# Altium PCB P01-RADIO.PcbDoc
Units mm, origin at the board's own origin, x right, y up, seen from the top; angles counter-clockwise.
Board outline 42.16 x 97.12 mm, 4 copper layers (Top Layer, Mid Layer 1, Mid Layer 2, Bottom Layer), stack 1.586 mm thick; 36 components, 38 nets, 224 pads, 209 vias.
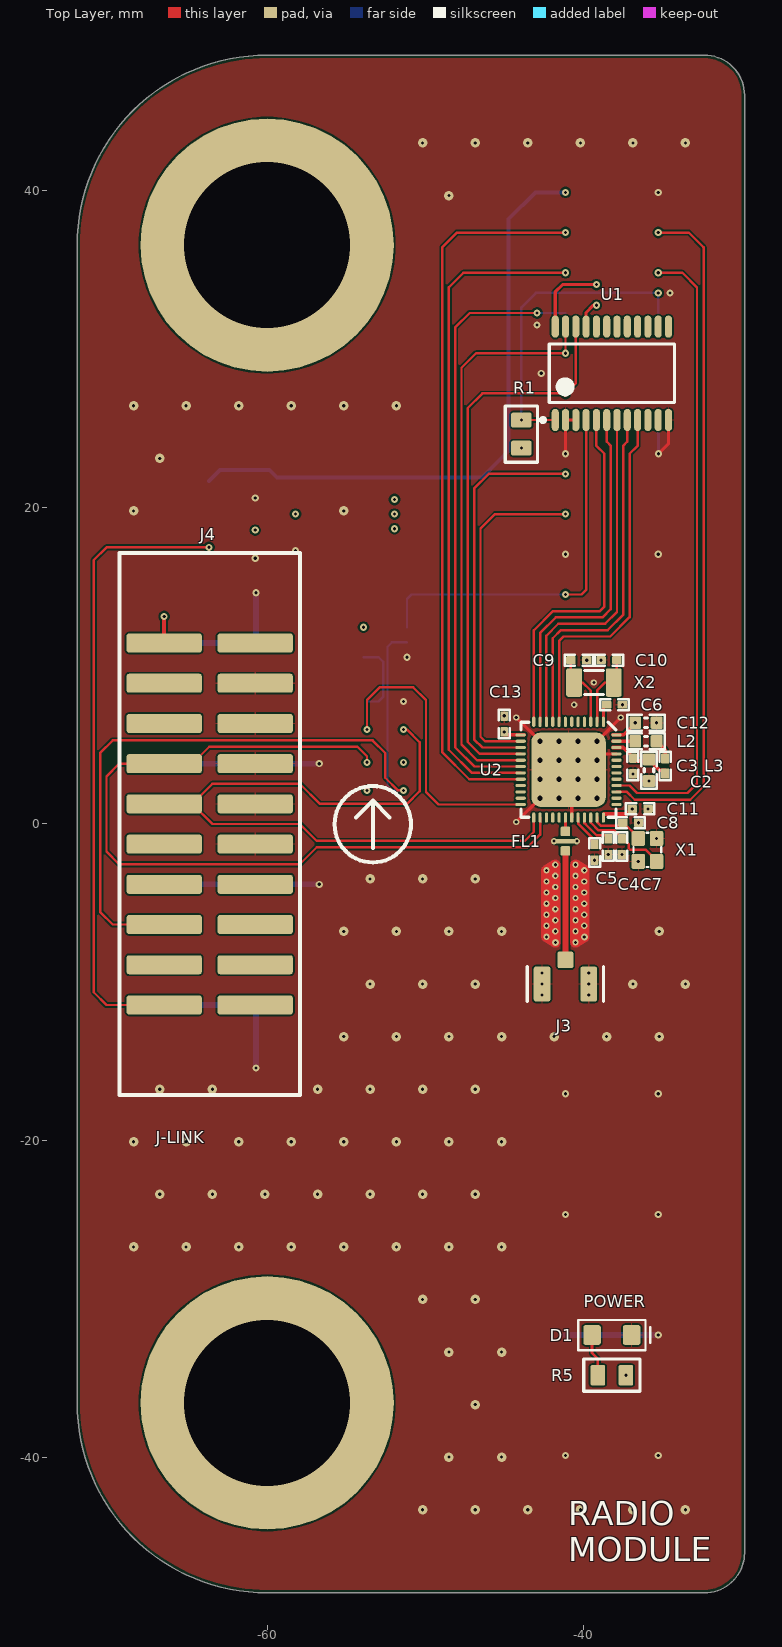
[diagram p0: Top Layer view]
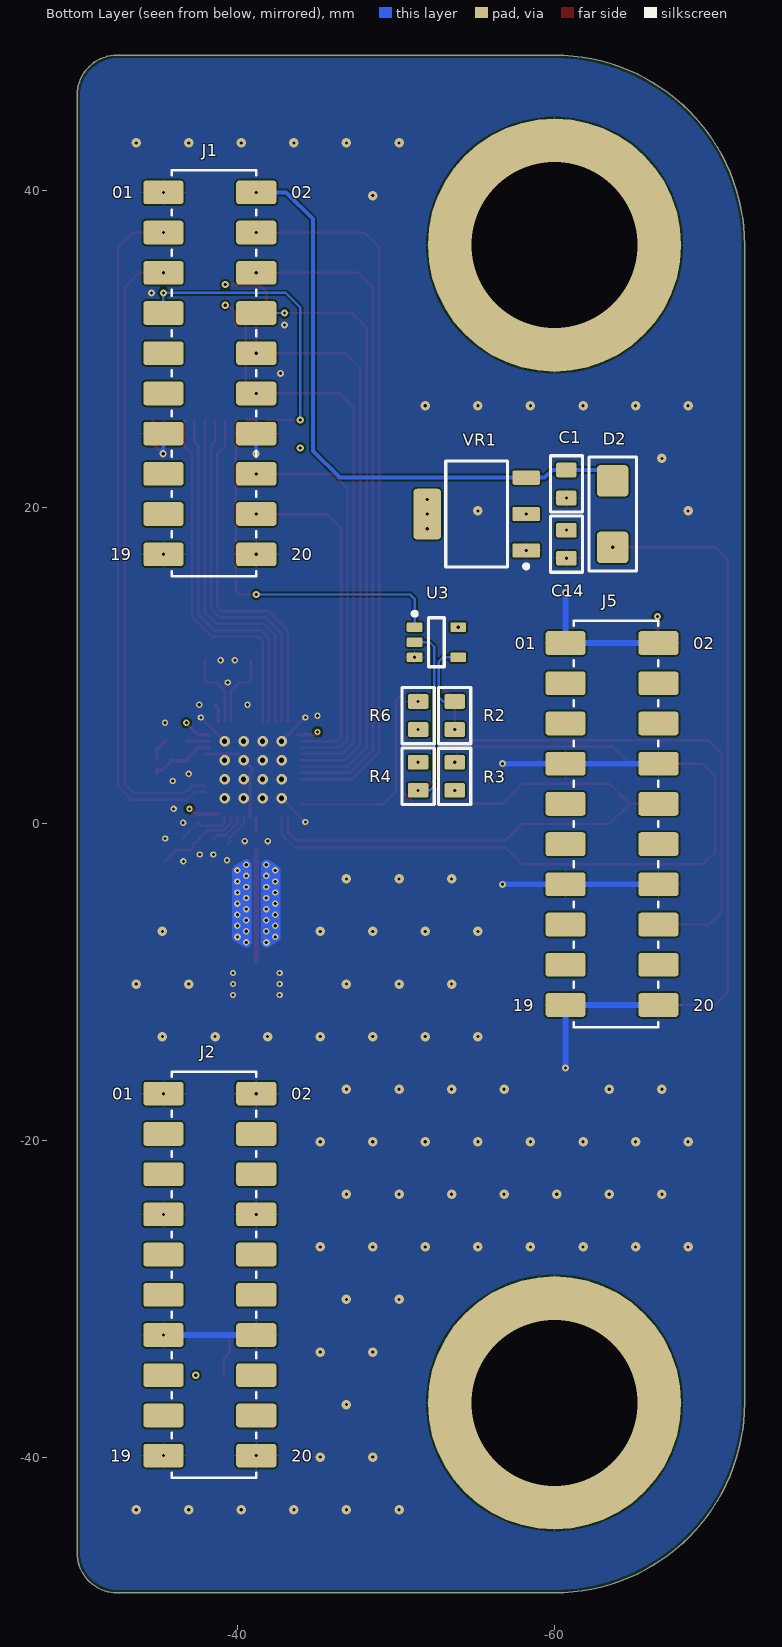
[diagram p1: Bottom Layer view, seen from below]
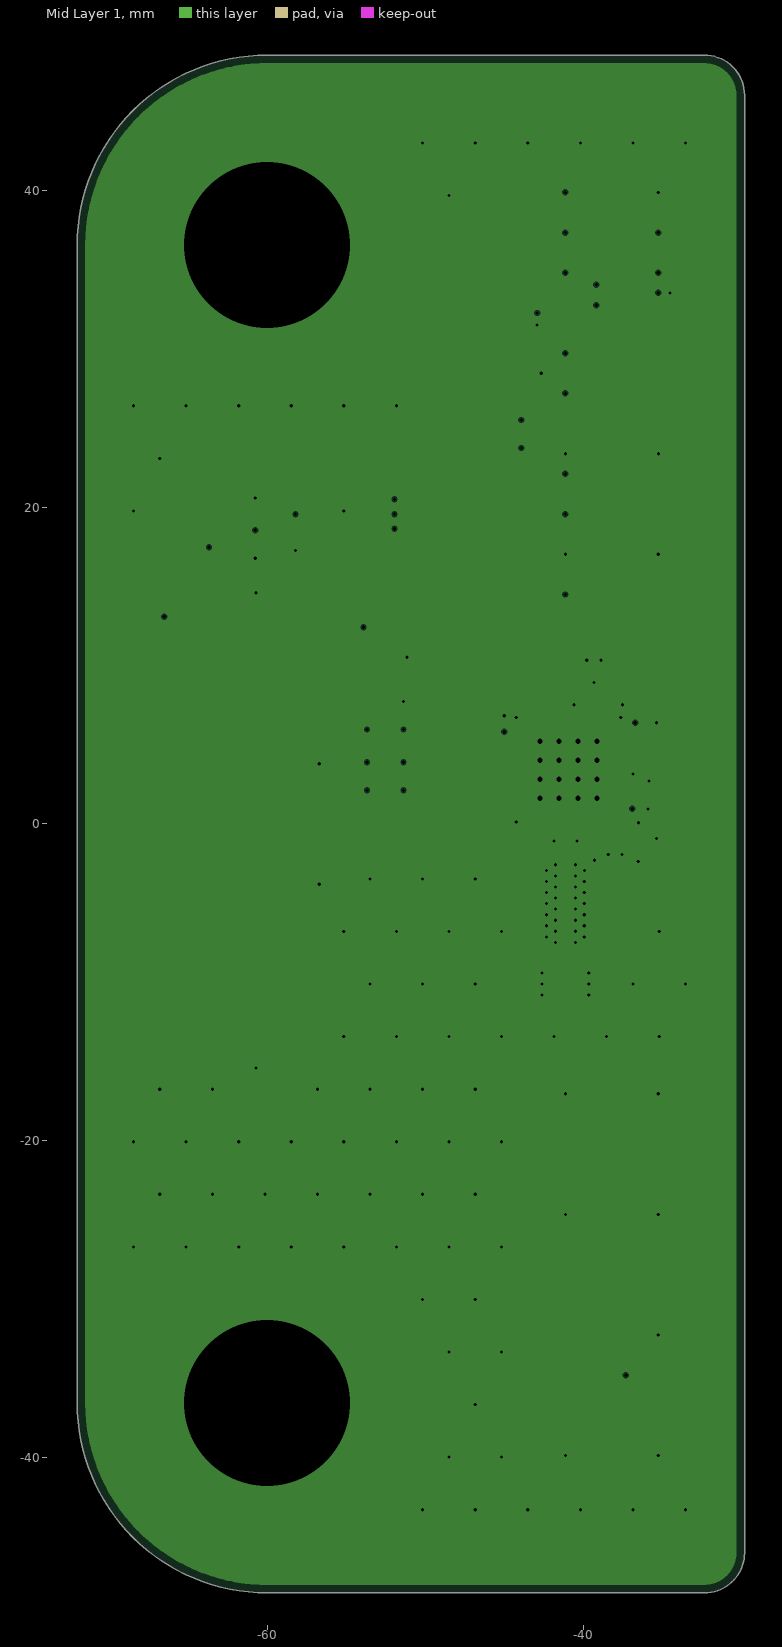
[diagram p2: Mid Layer 1, clearances drawn from the general rule]
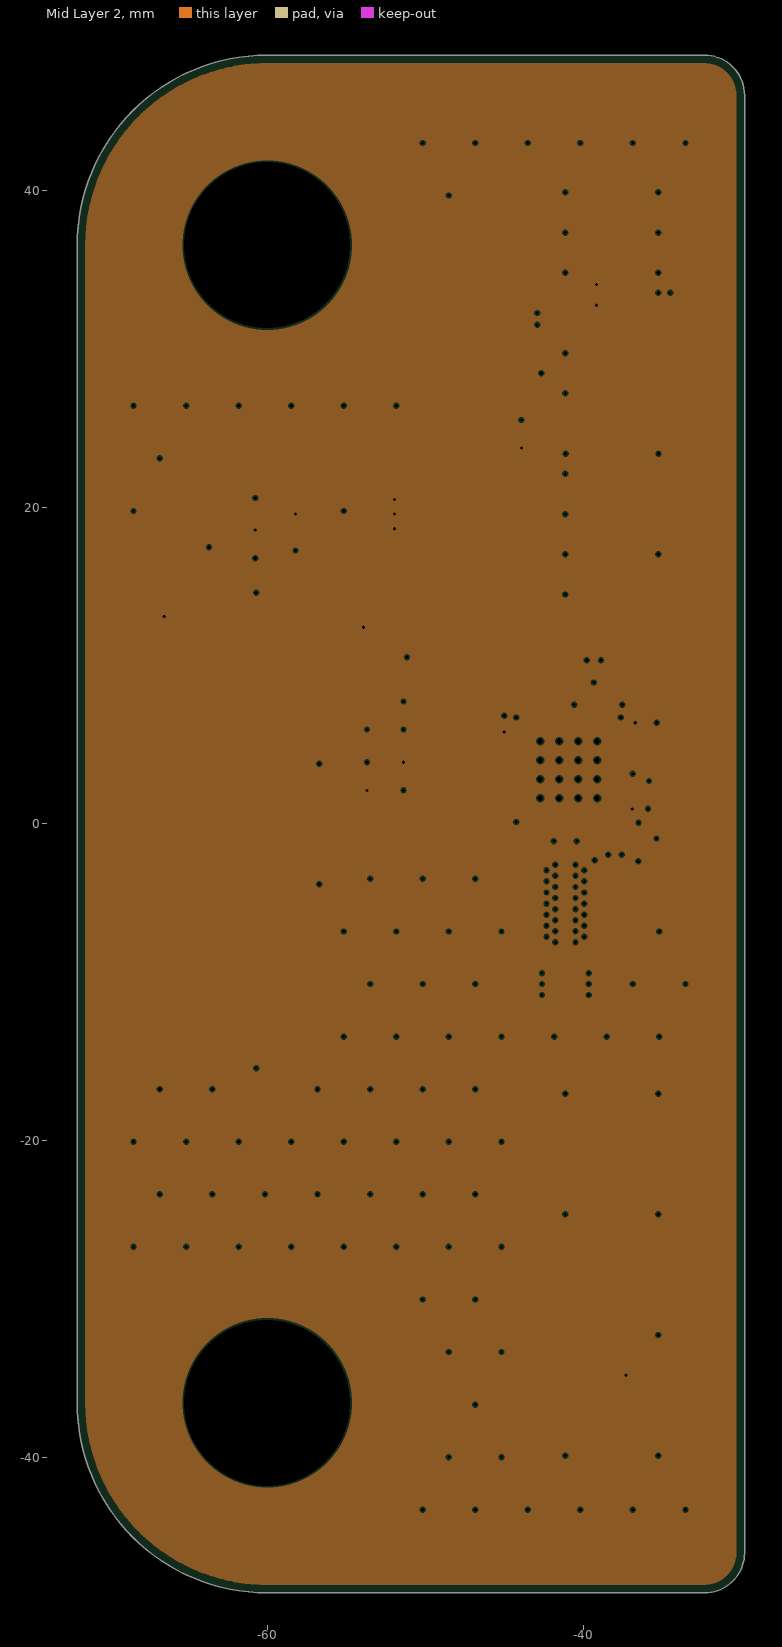
[diagram p3: Mid Layer 2, clearances drawn from the general rule]
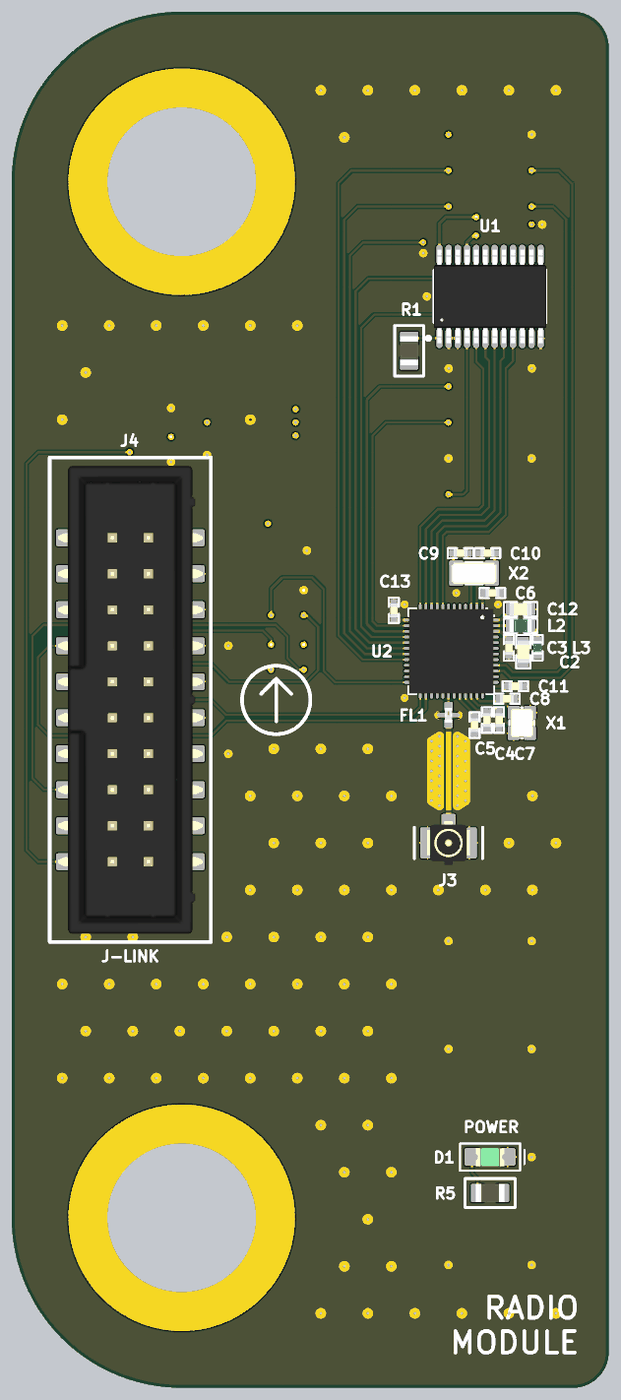
[diagram p4: 3D render of the assembled board from above, using the file's embedded part models]
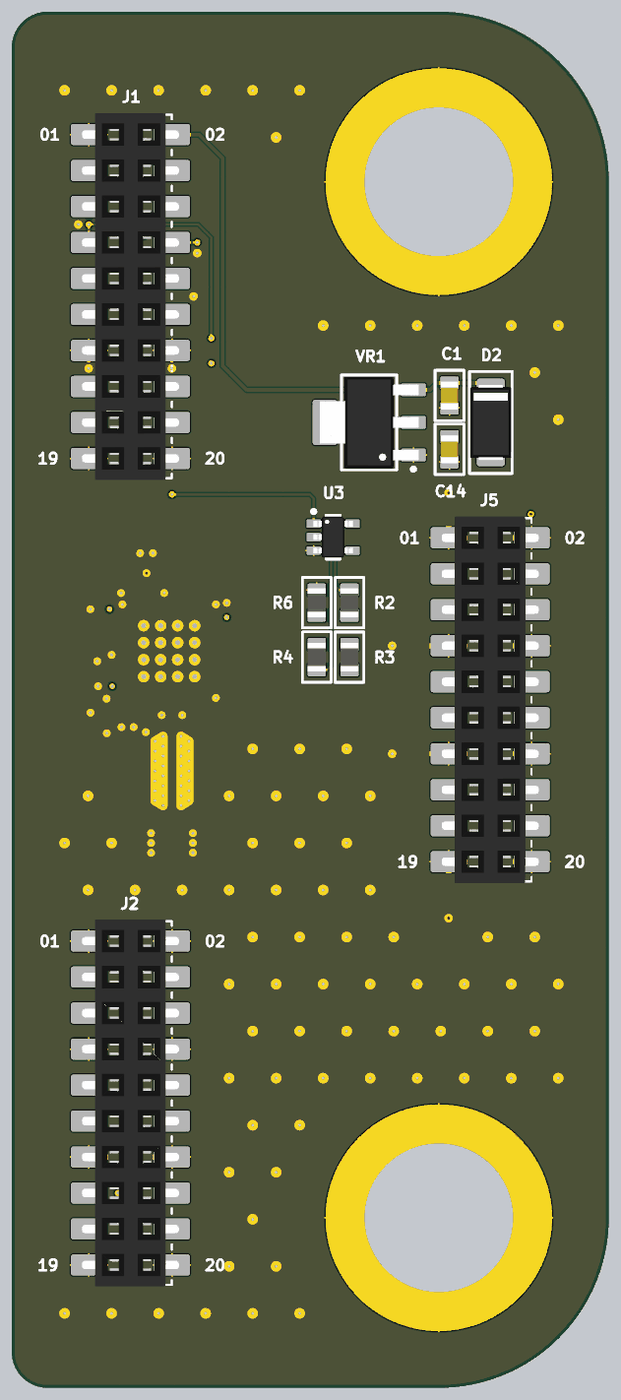
[diagram p5: 3D render of the assembled board from below, using the file's embedded part models]

## Layer stack, top to bottom
Top Solder: solder mask 0.0127, Solder Resist, Dk 3.8
Top Layer: signal copper 0.035
Dielectric 1: prepreg 0.2104, 7628, Dk 4.6
Mid Layer 1: plane copper 0.0152, net GND
Core: core 1.065, FR-4, Dk 4.5
Mid Layer 2: plane copper 0.0152, net +3V3
Dielectric 2: prepreg 0.2104, 7628, Dk 4.6
Bottom Layer: signal copper 0.035
Bottom Solder: solder mask 0.0127, Solder Resist, Dk 3.8

## Board outline
-72,-36.562 -72,36.561 cw(c-60,36.561) -60,48.561 -32.385,48.561 cw(c-32.385,46.021) -29.845,46.021 -29.845,-46.022 cw(c-32.385,-46.022) -32.385,-48.562 -60,-48.562 cw(c-60,-36.562)

## Design rules (kind name [scope] priority, off if disabled: settings)
BoardOutlineClearance [All] p1: gap=0.2 ignorepadtopadclearanceinfootprint=FALSE
Clearance [All] p1: gap=0.102 ignorepadtopadclearanceinfootprint=TRUE except(0.127: Arc-Via Track-Via SMDPad-Via THPad-Via Via-Via Via-Fill Via-Poly Via-Region Via-Text; 0.25: Arc-Hole Track-Hole SMDPad-Hole THPad-Hole Via-Hole Fill-Hole Poly-Hole Region-Hole Text-Hole; 0.256: Poly-Poly)
ComponentClearance [All] p1: gap=0.102 collisioncheckmode=3 verticalgap=0.102 showdistances=TRUE
DiffPairsRouting [All] p1: maxlimit=0.102 minlimit=0.102 mostfreqgap=0.102 toplayer_minwidth=0.102 toplayer_maxwidth=1816.048 toplayer_prefwidth=0.102 bottomlayer_minwidth=0.102 bottomlayer_maxwidth=1816.048 bottomlayer_prefwidth=0.102 maxuncoupledlength=12.7
Height [All] p1: minheight=0 maxheight=1816.048 prefheight=12.7
HoleSize [All] p1: absolutevalues=TRUE maxlimit=6.3 minlimit=0.2 maxpercent=80.000 minpercent=20.000
HoleToHoleClearance [All] p1: gap=0.25 allowstackedmicrovias=FALSE
MinimumAnnularRing [All] p1: minimumring=0.076
MinimumSolderMaskSliver [All] p1: minsoldermaskwidth=0
PlaneClearance [All] p1: clearance=0.102
PlaneConnect PlaneConnectPowerPads [InPadClass('PowerPads')] p1: planeconnectstyle=Direct reliefexpansion=0.508 reliefentries=4 reliefconductorwidth=0.254 reliefairgap=0.254
PlaneConnect [All] p2: pad.planeconnectstyle=Relief pad.reliefexpansion=0.3 pad.reliefentries=4 pad.reliefconductorwidth=0.102 pad.reliefairgap=0.102 via.planeconnectstyle=Direct via.reliefexpansion=0.3 via.reliefentries=4 via.reliefconductorwidth=0.127 via.reliefairgap=0.127
PolygonConnect PolygonConnectPowerPads [All vs (InPadClass('PowerPads'))] p1: connectstyle=Direct reliefconductorwidth=0.254 reliefentries=4 polygonreliefangle="90 Angle" airgapwidth=0.254
PolygonConnect [All] p2: thpad.connectstyle=Relief thpad.reliefconductorwidth=0.102 thpad.reliefentries=4 thpad.polygonreliefangle="90 Angle" thpad.airgapwidth=0.102 smdpad.connectstyle=Relief smdpad.reliefconductorwidth=0.102 smdpad.reliefentries=4 smdpad.polygonreliefangle="90 Angle" smdpad.airgapwidth=0.102 via.connectstyle=Direct via.reliefconductorwidth=0.127 via.reliefentries=4 via.polygonreliefangle="90 Angle" via.airgapwidth=0.127
RoutingVias [All] p1: holewidth=0.2 width=0.45 viastyle="Through Hole" minholewidth=0.2 minwidth=0.45 maxholewidth=6.3 maxwidth=6.55
SilkToSilkClearance [All] p1: silktosilkclearance=0
SilkToSolderMaskClearance [IsPad] p1: minsilkscreentomaskgap=0.102 clearancetoexposedcopper=TRUE
SolderMaskExpansion [All] p1: expansion=0.075 istentingtop=FALSE
Width [InNetClass('50R-MATCHED')] p1: maxlimit=0.369 minlimit=0.369 preferedwidth=0.369 impedanceprofiledriven=TRUE impedanceprofileid={A34E7745-7D2F-43F4-9FD8-921792264529} impedanceprofilevalue=50.000000 minimp=50.000000 maximp=50.000000 favimp=50.000000 checkconnectedcopper=TRUE
Width WidthRouter [All] p2: maxlimit=16 minlimit=0.12 preferedwidth=0.152
20 further rules are at their usual default settings.

## Classes and differential pairs
net class 50R-MATCHED: FEED
component class S01-INTERFACES: J1 J2 J5 R1 U1
component class S02-INTERFACES: C1 C14 D1 D2 J4 R3 R4 R5 R6 VR1
component class S03-TRANSCEIVER: C2 C3 C4 C5 C6 C7 C8 C9 C10 C11 C12 C13 FL1 J3 L2 L3 R2 U2 U3 X1 X2

## Components (designator, comment, footprint, x,y, rotation, side; value= is the part's Value field where it differs from the comment)
C1 "1.0UF" CL21B105KAFNFNE -60.751,21.475 r90 bottom locked
C2 "1.0UF" GCM188R71E105KA64D -35.881,3.392 r90 top locked
C3 "100PF" GCM1555C1H101JA16D -36.897,3.667 r90 top locked
C4 "100PF" GCM1555C1H101JA16D -38.453,-1.431 r90 top locked
C5 "100PF" GCM1555C1H101JA16D -39.315,-1.788 r90 top locked
C6 "0.1UF" GRM155R71H104KE14D -38.061,7.534 r180 top locked
C7 "12PF" GJM1555C1H120GB01D -37.592,-1.431 r270 top locked
C8 "12PF" GJM1555C1H120GB01D -37.042,0.075 r0 top locked
C9 "12PF" GJM1555C1H120GB01D -40.311,10.346 r0 top locked
C10 "12PF" GJM1555C1H120GB01D -38.411,10.346 r180 top locked
C11 "0.1UF" GRM155R71H104KE14D -36.442,0.953 r180 top locked
C12 "4.7UF" GRM188R61E475KE11D -36.072,6.391 r180 top locked
C13 "0.1UF" GRM155R71H104KE14D -45.025,6.315 r270 top locked
C14 "1.0UF" CL21B105KAFNFNE -60.751,17.673 r90 bottom locked
D1 "LTST-C171GKT" LTST-C171GKT -38.227,-32.274 r180 top locked
D2 "RBR5L30BDDTE25" RBR5L30BDDTE25 -63.67,19.574 r270 bottom locked
FL1 "2450FM07A0029001T" 2450FM07A0029001T -41.161,-1.084 r270 top locked
J1 "NPTC102KFMS-RC" NPTC102KFMS-RC -38.227,28.464 r270 bottom locked
J2 "NPTC102KFMS-RC" NPTC102KFMS-RC -38.227,-28.464 r270 bottom locked
J3 "2337019-1" 2337019-1 -41.161,-10.107 r180 top locked
J4 "3020-20-0300-00" 3020-20-0300-00 -63.626,0 r270 top locked
J5 "NPTC102KFMS-RC" NPTC102KFMS-RC -63.626,0 r270 bottom locked
L2 "10.0UH" LQM18FN100M00D -36.072,5.229 r0 top locked
L3 "15NH" 0402HS-150EKTS -34.865,3.667 r270 top locked
R1 "10K0" RC0805FR-0710KL -43.942,24.629 r270 top locked
R2 "330R0" RC0805FR-7W330RL -53.692,6.851 r270 bottom locked
R3 "43K0" RT0805BRD0743KL -53.692,3.01 r270 bottom locked
R4 "43K0" RT0805BRD0743KL -51.383,3.01 r90 bottom locked
R5 "330R0" RC0805FR-7W330RL -38.227,-34.814 r0 top locked
R6 "43K0" RT0805BRD0743KL -51.383,6.851 r270 bottom locked
U1 "PCA9555PW" PCA9555PW -38.227,28.464 r90 top locked
U2 "NRF52810-QFAA-R" NRF52810-QFAA-R -40.961,3.429 r270 top locked
U3 "SN74AHC1G08DBVR" SN74AHC1G08DBVR -52.538,11.48 r180 bottom locked
VR1 "TLV1117LV33DCYR" TLV1117LV33DCYR -55.082,19.574 r0 bottom locked
X1 "32.0000MHZ" ECS-320-8-37CKM -35.98,-1.638 r90 top locked
X2 "32.7680KHZ" ECS-327-9-34QS-TR -39.361,8.936 r0 top locked

## Footprints (in the part's own frame and the unit in brackets; to place one, negate y for a bottom-side part, rotate by r counter-clockwise, add the part's x,y. Pads: shape width x height; smd on the part's side, far side on the other; paste and mask are expansions set on the pad)
0402HS-150EKTS [mm] "FIXED IND 15NH 560MA 172MOHM SMD"
  rrect25% 0.65x0.5 smd: 1(-0.475,0) 2(0.475,0)
  silkscreen extent -0.9,-0.35 0.9,0.35, body extent -0.5,-0.3 0.5,0.3, height 0.5
2450FM07A0029001T [mm] "RF FILTR LO PASS 2.4-2.5GHZ 0402"
  rrect25% 0.6x0.6 smd mask+0: 1(-0.613,0) 3(0.613,0)
  rrect25% 0.3x1.45 smd mask+0.102: G(0,0)
  body extent -0.52,-0.27 0.52,0.27, height 0.44
3020-20-0300-00 [mm] "CONN HEADER SMD 20POS 2.54MM"
  rrect25% 1.2x4.75 smd: 1(-11.43,-2.875) 2(-11.43,2.875) 3(-8.89,-2.875) 4(-8.89,2.875) 5(-6.35,-2.875) 6(-6.35,2.875) 7(-3.81,-2.875) 8(-3.81,2.875) 9(-1.27,-2.875) 10(-1.27,2.875) 11(1.27,-2.875) 12(1.27,2.875) 13(3.81,-2.875) 14(3.81,2.875) 15(6.35,-2.875) 16(6.35,2.875) 17(8.89,-2.875) 18(8.89,2.875) 19(11.43,-2.875) 20(11.43,2.875)
  silkscreen extent -17.1,-5.69 17.1,5.69, body extent -16.51,-5.1 16.51,5.1, height 9.8
2337019-1 [mm] "UMCC MICRO-COAX RECEPTACLE, GEN"
  rrect25% 1x1.05 smd: 1(0,-1.525)
  rrect25% 1.05x2.2 smd: 2(-1.475,0) 2(1.475,0)
  silkscreen extent -2.41,-1.1 2.41,1.1, body extent -1.5,-1.55 1.5,1.55, height 1.25
CL21B105KAFNFNE [mm] "CAP CER 1UF 25V X7R 0805"
  rrect25% 0.93x1.3 smd: 1(-0.885,0) 2(0.885,0)
  silkscreen extent -1.77,-1.02 1.78,1.02, body extent -1,-0.62 1,0.63, height 1.35
ECS-320-8-37CKM [mm] "CRYSTAL 32.0000MHZ 8PF SMD"
  rrect25% 0.95x0.85 smd: 1(-0.725,-0.575) 3(0.725,0.575) G(-0.725,0.575) G(0.725,-0.575)
  silkscreen extent -1.08,-0.88 1.08,0.88, body extent -1,-0.8 1,0.8, height 0.55
ECS-327-9-34QS-TR [mm] "CRYSTAL 32.7680KHZ 9PF SMD"
  rrect25% 1x1.8 smd: 1(-1.25,0) 2(1.25,0)
  silkscreen extent -0.6,-0.75 0.6,0.75, body extent -1.6,-0.75 1.6,0.75, height 0.9
GCM188R71E105KA64D [mm] "CAP CER 1UF 25V X7R 0603"
  rrect25% 0.75x0.8 smd: 1(-0.675,0) 2(0.675,0)
  silkscreen extent -1.17,-0.5 1.17,0.5, body extent -0.8,-0.45 0.8,0.45, height 0.81
GCM1555C1H101JA16D [mm] "CAP CER 100PF 50V C0G/NP0 0402"
  rrect25% 0.6x0.5 smd: 1(-0.5,0) 2(0.5,0)
  silkscreen extent -0.9,-0.35 0.9,0.35, body extent -0.5,-0.28 0.5,0.27, height 0.5
GJM1555C1H120GB01D [mm] "CAP CER 12PF 50V C0G/NP0 0402"
  rrect25% 0.6x0.5 smd: 1(-0.5,0) 2(0.5,0)
  silkscreen extent -0.9,-0.35 0.9,0.35, body extent -0.5,-0.28 0.5,0.27, height 0.5
GRM155R71H104KE14D [mm] "CAP CER 0.1UF 50V X7R 0402"
  rrect25% 0.6x0.5 smd: 1(-0.5,0) 2(0.5,0)
  silkscreen extent -0.9,-0.35 0.9,0.35, body extent -0.5,-0.28 0.5,0.27, height 0.5
GRM188R61E475KE11D [mm] "CAP CER 4.7UF 25V X5R 0603"
  rrect25% 0.75x0.8 smd: 1(-0.675,0) 2(0.675,0)
  silkscreen extent -1.17,-0.5 1.17,0.5, body extent -0.8,-0.45 0.8,0.45, height 0.81
LQM18FN100M00D [mm] "FIXED IND 10UH 50MA 1.17 OHM SMD"
  rrect25% 0.75x0.8 smd: 1(-0.675,0) 2(0.675,0)
  silkscreen extent -1.17,-0.5 1.17,0.5, body extent -0.8,-0.48 0.8,0.47, height 0.8
LTST-C171GKT [mm] "LED GREEN CLEAR CHIP SMD"
  rrect25% 1.1x1.25 smd: A(1.25,0) K(-1.25,0)
  silkscreen extent -2.43,-0.95 2.13,0.95, body extent -1,-0.65 1,0.65, height 0.9
NPTC102KFMS-RC [mm] "CONN HDR 20POS 0.1 TIN SMD"
  rrect25% 1.5x2.54 smd: 1(-11.43,-2.934) 2(-11.43,2.934) 3(-8.89,-2.934) 4(-8.89,2.934) 5(-6.35,-2.934) 6(-6.35,2.934) 7(-3.81,-2.934) 8(-3.81,2.934) 9(-1.27,-2.934) 10(-1.27,2.934) 11(1.27,-2.934) 12(1.27,2.934) 13(3.81,-2.934) 14(3.81,2.934) 15(6.35,-2.934) 16(6.35,2.934) 17(8.89,-2.934) 18(8.89,2.934) 19(11.43,-2.934) 20(11.43,2.934)
  silkscreen extent -12.83,-2.41 12.83,2.92, body extent -12.95,-3.42 12.95,3.42, height 7.5
NRF52810-QFAA-R [mm] "IC RF TXRX+MCU BLUETOOTH 48VFQFN"
  oval 0.65x0.2 smd: 1(-3.025,2.2) 2(-3.025,1.8) 3(-3.025,1.4) 4(-3.025,1) 5(-3.025,0.6) 6(-3.025,0.2) 7(-3.025,-0.2) 8(-3.025,-0.6) 9(-3.025,-1) 10(-3.025,-1.4) 11(-3.025,-1.8) 12(-3.025,-2.2) 25(3.025,-2.2) 26(3.025,-1.8) 27(3.025,-1.4) 28(3.025,-1) 29(3.025,-0.6) 30(3.025,-0.2) 31(3.025,0.2) 32(3.025,0.6) 33(3.025,1) 34(3.025,1.4) 35(3.025,1.8) 36(3.025,2.2)
  oval 0.2x0.65 smd: 13(-2.2,-3.025) 14(-1.8,-3.025) 15(-1.4,-3.025) 16(-1,-3.025) 17(-0.6,-3.025) 18(-0.2,-3.025) 19(0.2,-3.025) 20(0.6,-3.025) 21(1,-3.025) 22(1.4,-3.025) 23(1.8,-3.025) 24(2.2,-3.025) 37(2.2,3.025) 38(1.8,3.025) 39(1.4,3.025) 40(1,3.025) 41(0.6,3.025) 42(0.2,3.025) 43(-0.2,3.025) 44(-0.6,3.025) 45(-1,3.025) 46(-1.4,3.025) 47(-1.8,3.025) 48(-2.2,3.025)
  rrect25% 4.7x4.7 smd: 49(0,0)
  silkscreen extent -3,-3 3,3, body extent -3,-3 3,3, height 0.89
PCA9555PW [mm] "IC XPND 400KHZ I2C SMBUS 24TSSOP"
  oval 1.4x0.45 smd: 1(-2.95,3.575) 2(-2.95,2.925) 3(-2.95,2.275) 4(-2.95,1.625) 5(-2.95,0.975) 6(-2.95,0.325) 7(-2.95,-0.325) 8(-2.95,-0.975) 9(-2.95,-1.625) 10(-2.95,-2.275) 11(-2.95,-2.925) 12(-2.95,-3.575) 13(2.95,-3.575) 14(2.95,-2.925) 15(2.95,-2.275) 16(2.95,-1.625) 17(2.95,-0.975) 18(2.95,-0.325) 19(2.95,0.325) 20(2.95,0.975) 21(2.95,1.625) 22(2.95,2.275) 23(2.95,2.925) 24(2.95,3.575)
  silkscreen extent -3.07,-3.95 1.85,4.47, body extent -3.3,-3.95 3.3,3.95, height 1.09
RBR5L30BDDTE25 [mm] "DIODE SCHOTTKY 30V 5A PMDS"
  rrect25% 2x2 smd: A(2.1,0) K(-2.1,0)
  silkscreen extent -3.6,-1.5 3.6,1.5, body extent -2.65,-1.45 2.65,1.45, height 2.49
RC0805FR-7W330RL [mm] "RES 330 OHM 1% 1/4W 0805"
  rrect25% 0.93x1.3 smd: 1(-0.885,0) 2(0.885,0)
  silkscreen extent -1.77,-1.02 1.78,1.02, body extent -1.02,-0.64 1.01,0.63, height 0.64
RC0805FR-0710KL [mm] "RES 10K OHM 1% 1/8W 0805"
  rrect25% 0.93x1.3 smd: 1(-0.885,0) 2(0.885,0)
  silkscreen extent -1.77,-1.02 1.78,1.02, body extent -1.02,-0.63 1.02,0.63, height 0.64